# Altium PCB openservo_tessellated.PcbDoc (part 9 of 13)
Units mm, origin at the board's own origin, x right, y up, seen from the top; angles counter-clockwise.
Board outline 225 x 202.5 mm, 2 copper layers (Top Layer, Bottom Layer); 1250 components, 19 nets, 5300 pads, 1100 vias.
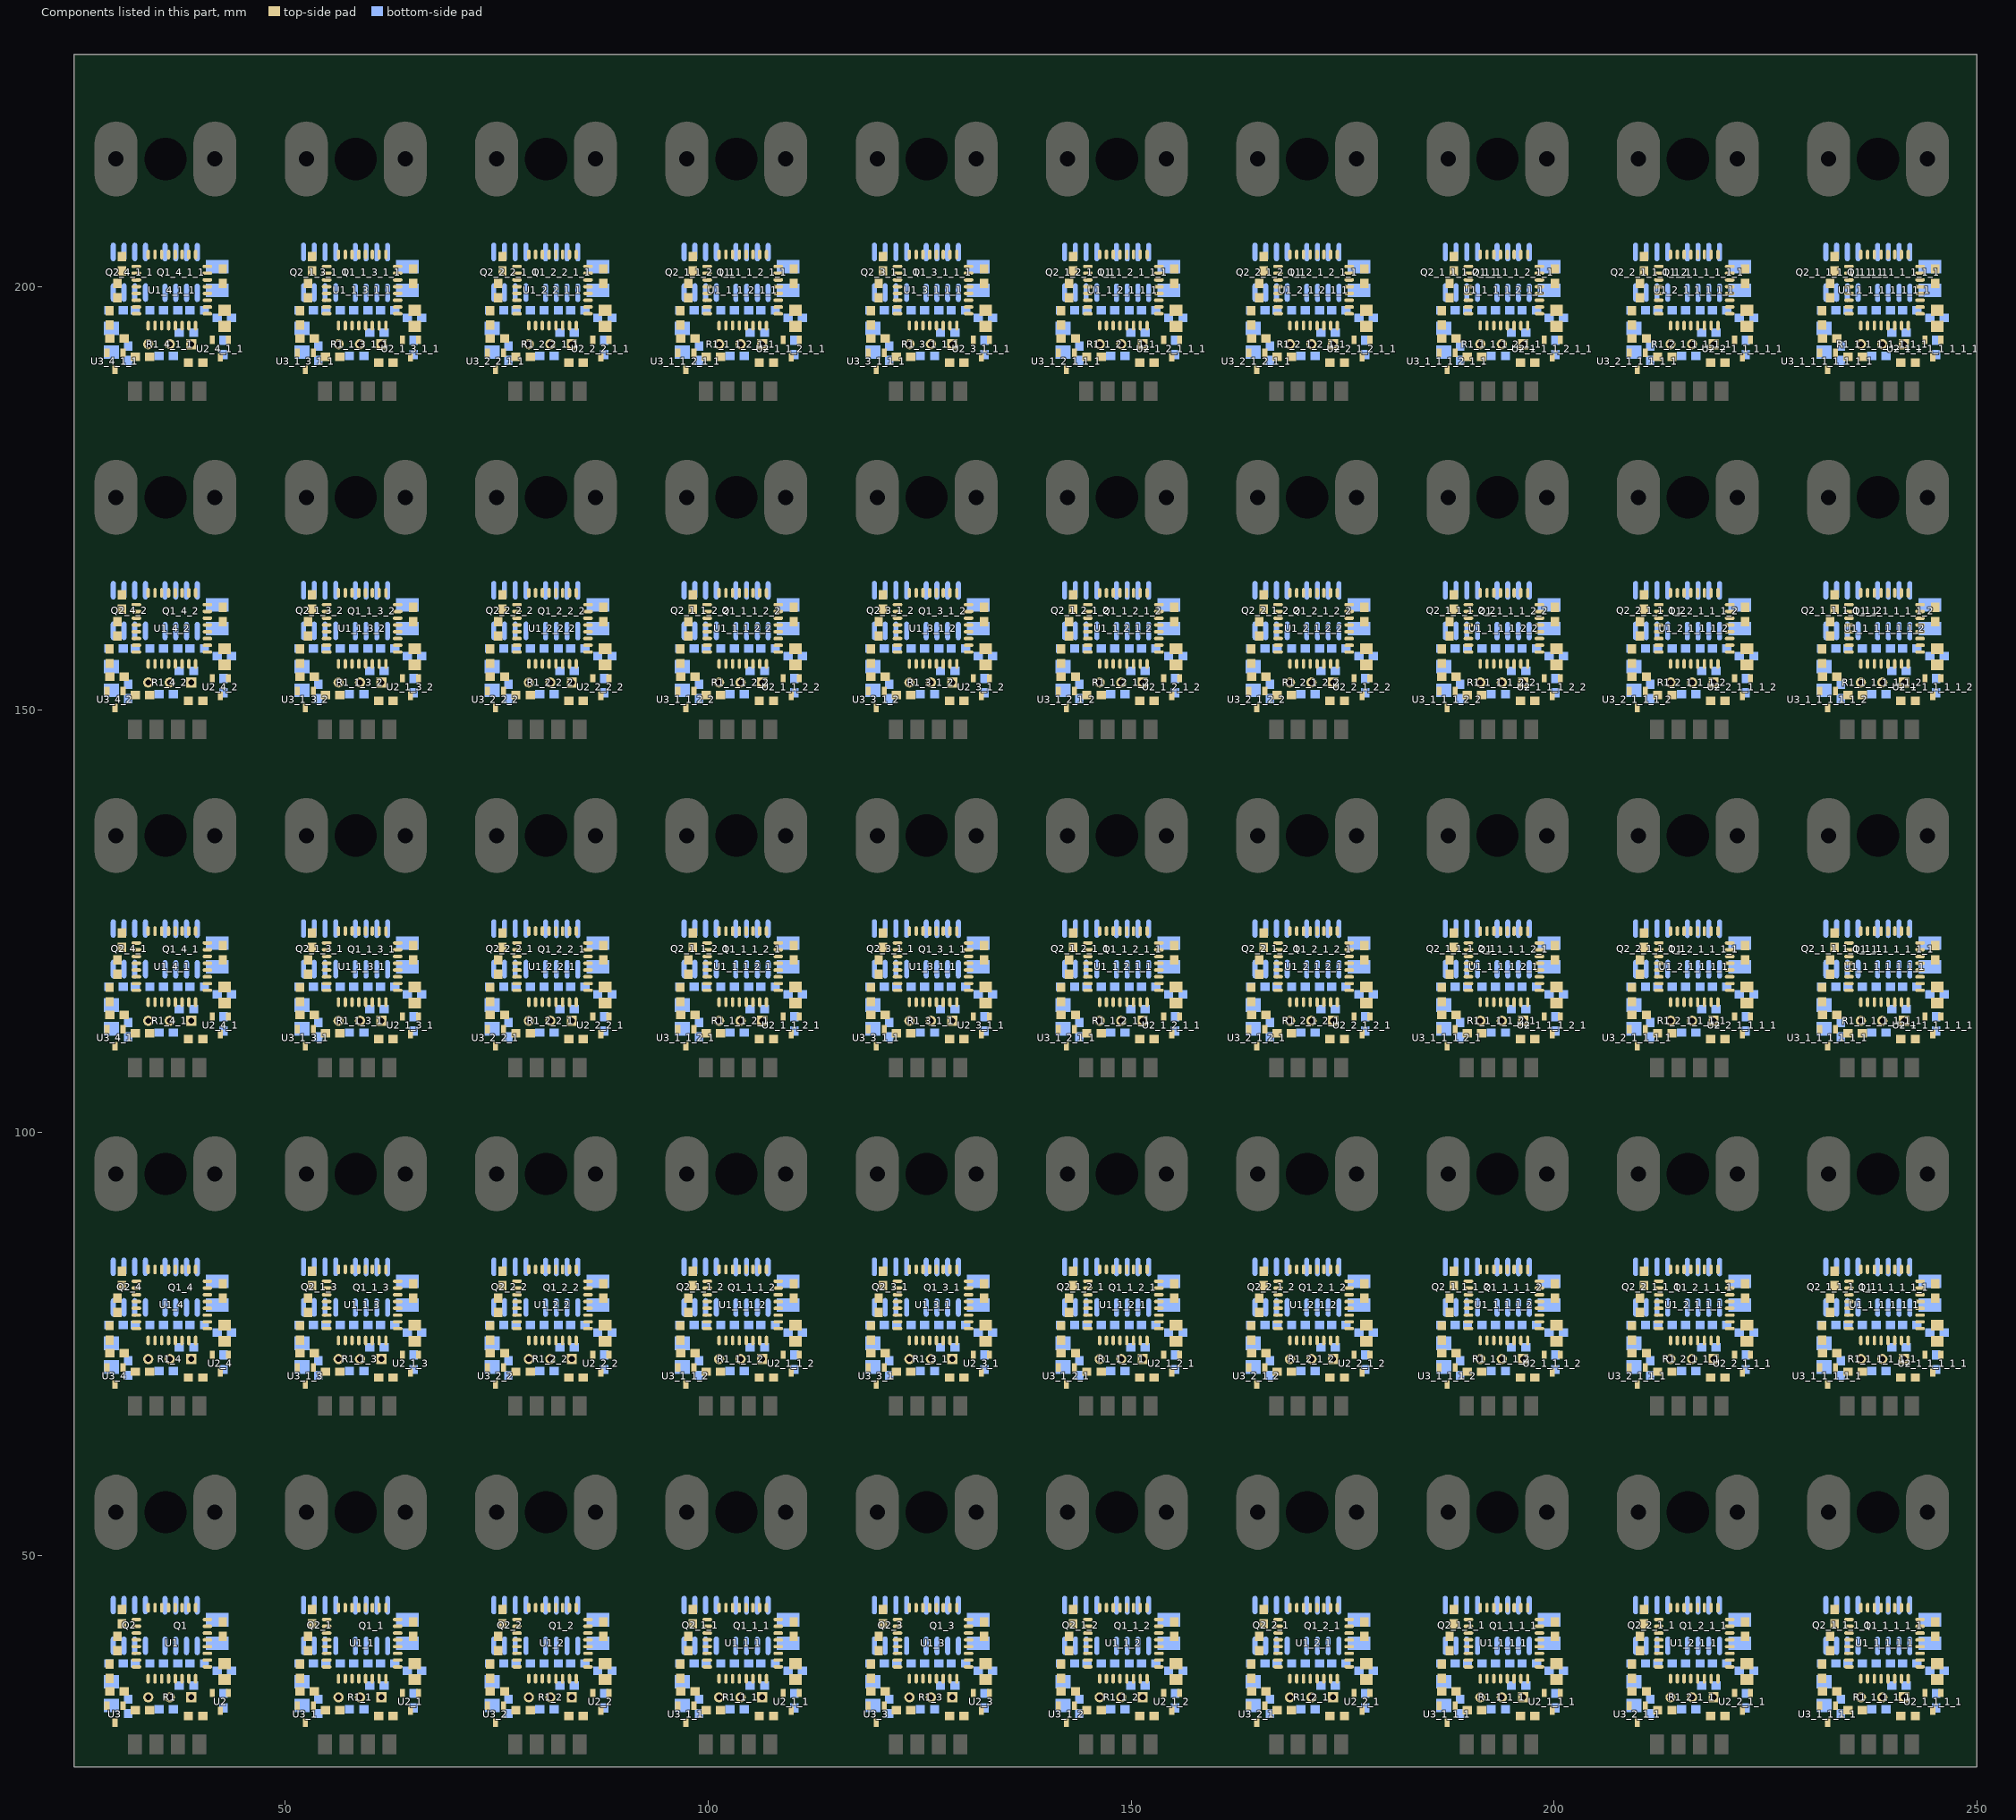
[diagram p9: the components of this part, seen from the top]

## Via types
v1: diameter 0.762, hole 0.35, Top Layer to Bottom Layer, 1000 vias
v2: diameter 1.27, hole 0.7, Top Layer to Bottom Layer, 100 vias

## Nets (pads, with @x,y where several pads share a name; then routed paths per layer and width w, separated by ;. In a path a pad name is that pad's centre, name@x,y a point inside that pad or via, vN(x,y) a via of type N, cw(c..) or ccw(c..) an arc to the next point about the centre after c; other vN are vias at no path point) (continued)
copper on no net: (continued)
  Top Layer w0.635: v1(28.626,70.632) 28.895,70.902 28.895,72.217 ; v1(28.626,110.632) 28.895,110.902 28.895,112.217 ; v1(28.626,150.632) 28.895,150.902 28.895,152.217 ; v1(28.626,190.632) 28.895,190.902 28.895,192.217 ; 34.722,67.788 34.722,69.642 v1@35.408,70.328 ; 34.722,107.788 34.722,109.642 v1@35.408,110.328 ; 34.722,147.788 34.722,149.642 v1@35.408,150.328 ; 34.722,187.788 34.722,189.642 v1@35.408,190.328 ; v1(36.665,69.629) 37.262,69.032 37.262,67.788 ; v1(36.665,109.629) 37.262,109.032 37.262,107.788 ; v1(36.665,149.629) 37.262,149.032 37.262,147.788 ; v1(36.665,189.629) 37.262,189.032 37.262,187.788 ; v1(41.072,72.436) 41.072,73.471 41.341,73.74 ; v1(41.072,112.436) 41.072,113.471 41.341,113.74 ; v1(41.072,152.436) 41.072,153.471 41.341,153.74 ; v1(41.072,192.436) 41.072,193.471 41.341,193.74 ; v1(41.783,70.226) 41.783,71.132 42.291,71.64 ; v1(41.783,110.226) 41.783,111.132 42.291,111.64 ; v1(41.783,150.226) 41.783,151.132 42.291,151.64 ; v1(41.783,190.226) 41.783,191.132 42.291,191.64 ; 42.596,82.125 43.917,83.446 v1(43.917,83.866) ; 42.596,122.125 43.917,123.446 v1(43.917,123.866) ; 42.596,162.125 43.917,163.446 v1(43.917,163.866) ; 42.596,202.125 43.917,203.446 v1(43.917,203.866) ; 42.799,80.222 42.799,77.221 43.678,77.221 44.196,76.703 44.196,69.337 v1(43.891,69.032) ; 42.799,120.222 42.799,117.221 43.678,117.221 44.196,116.703 44.196,109.337 v1(43.891,109.032) ; 42.799,160.222 42.799,157.221 43.678,157.221 44.196,156.703 44.196,149.337 v1(43.891,149.032) ; 42.799,200.222 42.799,197.221 43.678,197.221 44.196,196.703 44.196,189.337 v1(43.891,189.032) ; v1(51.126,30.632) 51.395,30.902 51.395,32.217 ; v1(51.126,70.632) 51.395,70.902 51.395,72.217 ; v1(51.126,110.632) 51.395,110.902 51.395,112.217 ; v1(51.126,150.632) 51.395,150.902 51.395,152.217 ; v1(51.126,190.632) 51.395,190.902 51.395,192.217 ; 57.222,27.788 57.222,29.642 v1@57.908,30.328 ; 57.222,67.788 57.222,69.642 v1@57.908,70.328 ; 57.222,107.788 57.222,109.642 v1@57.908,110.328 ; 57.222,147.788 57.222,149.642 v1@57.908,150.328 ; 57.222,187.788 57.222,189.642 v1@57.908,190.328 ; v1(59.165,29.629) 59.762,29.032 59.762,27.788 ; v1(59.165,69.629) 59.762,69.032 59.762,67.788 ; v1(59.165,109.629) 59.762,109.032 59.762,107.788 ; v1(59.165,149.629) 59.762,149.032 59.762,147.788 ; v1(59.165,189.629) 59.762,189.032 59.762,187.788 ; v1(63.572,32.436) 63.572,33.471 63.841,33.74 ; v1(63.572,72.436) 63.572,73.471 63.841,73.74 ; v1(63.572,112.436) 63.572,113.471 63.841,113.74 ; v1(63.572,152.436) 63.572,153.471 63.841,153.74 ; v1(63.572,192.436) 63.572,193.471 63.841,193.74 ; v1(64.283,30.226) 64.283,31.132 64.791,31.64 ; v1(64.283,70.226) 64.283,71.132 64.791,71.64 ; v1(64.283,110.226) 64.283,111.132 64.791,111.64 ; v1(64.283,150.226) 64.283,151.132 64.791,151.64 ; v1(64.283,190.226) 64.283,191.132 64.791,191.64 ; 65.096,42.125 66.417,43.446 v1(66.417,43.866) ; 65.096,82.125 66.417,83.446 v1(66.417,83.866) ; 65.096,122.125 66.417,123.446 v1(66.417,123.866) ; 65.096,162.125 66.417,163.446 v1(66.417,163.866) ; 65.096,202.125 66.417,203.446 v1(66.417,203.866) ; 65.299,40.222 65.299,37.221 66.178,37.221 66.696,36.703 66.696,29.337 v1(66.391,29.032) ; 65.299,80.222 65.299,77.221 66.178,77.221 66.696,76.703 66.696,69.337 v1(66.391,69.032) ; 65.299,120.222 65.299,117.221 66.178,117.221 66.696,116.703 66.696,109.337 v1(66.391,109.032) ; 65.299,160.222 65.299,157.221 66.178,157.221 66.696,156.703 66.696,149.337 v1(66.391,149.032) ; 65.299,200.222 65.299,197.221 66.178,197.221 66.696,196.703 66.696,189.337 v1(66.391,189.032) ; v1(73.626,30.632) 73.895,30.902 73.895,32.217 ; v1(73.626,70.632) 73.895,70.902 73.895,72.217 ; v1(73.626,110.632) 73.895,110.902 73.895,112.217 ; v1(73.626,150.632) 73.895,150.902 73.895,152.217 ; v1(73.626,190.632) 73.895,190.902 73.895,192.217 ; 79.722,27.788 79.722,29.642 v1@80.408,30.328 ; 79.722,67.788 79.722,69.642 v1@80.408,70.328 ; 79.722,107.788 79.722,109.642 v1@80.408,110.328 ; 79.722,147.788 79.722,149.642 v1@80.408,150.328 ; 79.722,187.788 79.722,189.642 v1@80.408,190.328 ; v1(81.665,29.629) 82.262,29.032 82.262,27.788 ; v1(81.665,69.629) 82.262,69.032 82.262,67.788 ; v1(81.665,109.629) 82.262,109.032 82.262,107.788 ; v1(81.665,149.629) 82.262,149.032 82.262,147.788 ; v1(81.665,189.629) 82.262,189.032 82.262,187.788 ; v1(86.072,32.436) 86.072,33.471 86.341,33.74 ; v1(86.072,72.436) 86.072,73.471 86.341,73.74 ; v1(86.072,112.436) 86.072,113.471 86.341,113.74 ; v1(86.072,152.436) 86.072,153.471 86.341,153.74 ; v1(86.072,192.436) 86.072,193.471 86.341,193.74 ; v1(86.783,30.226) 86.783,31.132 87.291,31.64 ; v1(86.783,70.226) 86.783,71.132 87.291,71.64 ; v1(86.783,110.226) 86.783,111.132 87.291,111.64 ; v1(86.783,150.226) 86.783,151.132 87.291,151.64 ; v1(86.783,190.226) 86.783,191.132 87.291,191.64 ; 87.596,42.125 88.917,43.446 v1(88.917,43.866) ; 87.596,82.125 88.917,83.446 v1(88.917,83.866) ; 87.596,122.125 88.917,123.446 v1(88.917,123.866) ; 87.596,162.125 88.917,163.446 v1(88.917,163.866) ; 87.596,202.125 88.917,203.446 v1(88.917,203.866) ; 87.799,40.222 87.799,37.221 88.678,37.221 89.196,36.703 89.196,29.337 v1(88.891,29.032) ; 87.799,80.222 87.799,77.221 88.678,77.221 89.196,76.703 89.196,69.337 v1(88.891,69.032) ; 87.799,120.222 87.799,117.221 88.678,117.221 89.196,116.703 89.196,109.337 v1(88.891,109.032) ; 87.799,160.222 87.799,157.221 88.678,157.221 89.196,156.703 89.196,149.337 v1(88.891,149.032) ; 87.799,200.222 87.799,197.221 88.678,197.221 89.196,196.703 89.196,189.337 v1(88.891,189.032) ; v1(96.126,30.632) 96.395,30.902 96.395,32.217 ; v1(96.126,70.632) 96.395,70.902 96.395,72.217 ; v1(96.126,110.632) 96.395,110.902 96.395,112.217 ; v1(96.126,150.632) 96.395,150.902 96.395,152.217 ; v1(96.126,190.632) 96.395,190.902 96.395,192.217 ; 102.222,27.788 102.222,29.642 v1@102.908,30.328 ; 102.222,67.788 102.222,69.642 v1@102.908,70.328 ; 102.222,107.788 102.222,109.642 v1@102.908,110.328 ; 102.222,147.788 102.222,149.642 v1@102.908,150.328 ; 102.222,187.788 102.222,189.642 v1@102.908,190.328 ; v1(104.165,29.629) 104.762,29.032 104.762,27.788 ; v1(104.165,69.629) 104.762,69.032 104.762,67.788 ; v1(104.165,109.629) 104.762,109.032 104.762,107.788 ; v1(104.165,149.629) 104.762,149.032 104.762,147.788 ; v1(104.165,189.629) 104.762,189.032 104.762,187.788 ; v1(108.572,32.436) 108.572,33.471 108.841,33.74 ; v1(108.572,72.436) 108.572,73.471 108.841,73.74 ; v1(108.572,112.436) 108.572,113.471 108.841,113.74 ; v1(108.572,152.436) 108.572,153.471 108.841,153.74 ; v1(108.572,192.436) 108.572,193.471 108.841,193.74 ; v1(109.283,30.226) 109.283,31.132 109.791,31.64 ; v1(109.283,70.226) 109.283,71.132 109.791,71.64 ; v1(109.283,110.226) 109.283,111.132 109.791,111.64 ; v1(109.283,150.226) 109.283,151.132 109.791,151.64 ; v1(109.283,190.226) 109.283,191.132 109.791,191.64 ; 110.096,42.125 111.417,43.446 v1(111.417,43.866) ; 110.096,82.125 111.417,83.446 v1(111.417,83.866) ; 110.096,122.125 111.417,123.446 v1(111.417,123.866) ; 110.096,162.125 111.417,163.446 v1(111.417,163.866) ; 110.096,202.125 111.417,203.446 v1(111.417,203.866) ; 110.299,40.222 110.299,37.221 111.178,37.221 111.696,36.703 111.696,29.337 v1(111.391,29.032) ; 110.299,80.222 110.299,77.221 111.178,77.221 111.696,76.703 111.696,69.337 v1(111.391,69.032) ; 110.299,120.222 110.299,117.221 111.178,117.221 111.696,116.703 111.696,109.337 v1(111.391,109.032) ; 110.299,160.222 110.299,157.221 111.178,157.221 111.696,156.703 111.696,149.337 v1(111.391,149.032) ; 110.299,200.222 110.299,197.221 111.178,197.221 111.696,196.703 111.696,189.337 v1(111.391,189.032) ; v1(118.626,30.632) 118.895,30.902 118.895,32.217 ; v1(118.626,70.632) 118.895,70.902 118.895,72.217 ; v1(118.626,110.632) 118.895,110.902 118.895,112.217 ; v1(118.626,150.632) 118.895,150.902 118.895,152.217 ; v1(118.626,190.632) 118.895,190.902 118.895,192.217 ; 124.722,27.788 124.722,29.642 v1@125.408,30.328 ; 124.722,67.788 124.722,69.642 v1@125.408,70.328 ; 124.722,107.788 124.722,109.642 v1@125.408,110.328 ; 124.722,147.788 124.722,149.642 v1@125.408,150.328 ; 124.722,187.788 124.722,189.642 v1@125.408,190.328 ; v1(126.665,29.629) 127.262,29.032 127.262,27.788 ; v1(126.665,69.629) 127.262,69.032 127.262,67.788 ; v1(126.665,109.629) 127.262,109.032 127.262,107.788 ; v1(126.665,149.629) 127.262,149.032 127.262,147.788 ; v1(126.665,189.629) 127.262,189.032 127.262,187.788 ; v1(131.072,32.436) 131.072,33.471 131.341,33.74 ; v1(131.072,72.436) 131.072,73.471 131.341,73.74 ; v1(131.072,112.436) 131.072,113.471 131.341,113.74 ; v1(131.072,152.436) 131.072,153.471 131.341,153.74 ; v1(131.072,192.436) 131.072,193.471 131.341,193.74 ; v1(131.783,30.226) 131.783,31.132 132.291,31.64 ; v1(131.783,70.226) 131.783,71.132 132.291,71.64 ; v1(131.783,110.226) 131.783,111.132 132.291,111.64 ; v1(131.783,150.226) 131.783,151.132 132.291,151.64 ; v1(131.783,190.226) 131.783,191.132 132.291,191.64 ; 132.596,42.125 133.917,43.446 v1(133.917,43.866) ; 132.596,82.125 133.917,83.446 v1(133.917,83.866) ; 132.596,122.125 133.917,123.446 v1(133.917,123.866) ; 132.596,162.125 133.917,163.446 v1(133.917,163.866) ; 132.596,202.125 133.917,203.446 v1(133.917,203.866) ; 132.799,40.222 132.799,37.221 133.678,37.221 134.196,36.703 134.196,29.337 v1(133.891,29.032) ; 132.799,80.222 132.799,77.221 133.678,77.221 134.196,76.703 134.196,69.337 v1(133.891,69.032) ; 132.799,120.222 132.799,117.221 133.678,117.221 134.196,116.703 134.196,109.337 v1(133.891,109.032) ; 132.799,160.222 132.799,157.221 133.678,157.221 134.196,156.703 134.196,149.337 v1(133.891,149.032) ; 132.799,200.222 132.799,197.221 133.678,197.221 134.196,196.703 134.196,189.337 v1(133.891,189.032) ; v1(141.126,30.632) 141.395,30.902 141.395,32.217 ; v1(141.126,70.632) 141.395,70.902 141.395,72.217 ; v1(141.126,110.632) 141.395,110.902 141.395,112.217 ; v1(141.126,150.632) 141.395,150.902 141.395,152.217 ; v1(141.126,190.632) 141.395,190.902 141.395,192.217 ; 147.222,27.788 147.222,29.642 v1@147.908,30.328 ; 147.222,67.788 147.222,69.642 v1@147.908,70.328 ; 147.222,107.788 147.222,109.642 v1@147.908,110.328 ; 147.222,147.788 147.222,149.642 v1@147.908,150.328 ; 147.222,187.788 147.222,189.642 v1@147.908,190.328 ; v1(149.165,29.629) 149.762,29.032 149.762,27.788 ; v1(149.165,69.629) 149.762,69.032 149.762,67.788 ; v1(149.165,109.629) 149.762,109.032 149.762,107.788 ; v1(149.165,149.629) 149.762,149.032 149.762,147.788 ; v1(149.165,189.629) 149.762,189.032 149.762,187.788 ; v1(153.572,32.436) 153.572,33.471 153.841,33.74 ; v1(153.572,72.436) 153.572,73.471 153.841,73.74 ; v1(153.572,112.436) 153.572,113.471 153.841,113.74 ; v1(153.572,152.436) 153.572,153.471 153.841,153.74 ; v1(153.572,192.436) 153.572,193.471 153.841,193.74 ; v1(154.283,30.226) 154.283,31.132 154.791,31.64 ; v1(154.283,70.226) 154.283,71.132 154.791,71.64 ; v1(154.283,110.226) 154.283,111.132 154.791,111.64 ; v1(154.283,150.226) 154.283,151.132 154.791,151.64 ; v1(154.283,190.226) 154.283,191.132 154.791,191.64 ; 155.096,42.125 156.417,43.446 v1(156.417,43.866) ; 155.096,82.125 156.417,83.446 v1(156.417,83.866) ; 155.096,122.125 156.417,123.446 v1(156.417,123.866) ; 155.096,162.125 156.417,163.446 v1(156.417,163.866) ; 155.096,202.125 156.417,203.446 v1(156.417,203.866) ; 155.299,40.222 155.299,37.221 156.178,37.221 156.696,36.703 156.696,29.337 v1(156.391,29.032) ; 155.299,80.222 155.299,77.221 156.178,77.221 156.696,76.703 156.696,69.337 v1(156.391,69.032) ; 155.299,120.222 155.299,117.221 156.178,117.221 156.696,116.703 156.696,109.337 v1(156.391,109.032) ; 155.299,160.222 155.299,157.221 156.178,157.221 156.696,156.703 156.696,149.337 v1(156.391,149.032) ; 155.299,200.222 155.299,197.221 156.178,197.221 156.696,196.703 156.696,189.337 v1(156.391,189.032) ; v1(163.626,30.632) 163.895,30.902 163.895,32.217 ; v1(163.626,70.632) 163.895,70.902 163.895,72.217 ; v1(163.626,110.632) 163.895,110.902 163.895,112.217 ; v1(163.626,150.632) 163.895,150.902 163.895,152.217 ; v1(163.626,190.632) 163.895,190.902 163.895,192.217 ; 169.722,27.788 169.722,29.642 v1@170.408,30.328 ; 169.722,67.788 169.722,69.642 v1@170.408,70.328 ; 169.722,107.788 169.722,109.642 v1@170.408,110.328 ; 169.722,147.788 169.722,149.642 v1@170.408,150.328 ; 169.722,187.788 169.722,189.642 v1@170.408,190.328 ; v1(171.665,29.629) 172.262,29.032 172.262,27.788 ; v1(171.665,69.629) 172.262,69.032 172.262,67.788 ; v1(171.665,109.629) 172.262,109.032 172.262,107.788 ; v1(171.665,149.629) 172.262,149.032 172.262,147.788 ; v1(171.665,189.629) 172.262,189.032 172.262,187.788 ; v1(176.072,32.436) 176.072,33.471 176.341,33.74 ; v1(176.072,72.436) 176.072,73.471 176.341,73.74 ; v1(176.072,112.436) 176.072,113.471 176.341,113.74 ; v1(176.072,152.436) 176.072,153.471 176.341,153.74 ; v1(176.072,192.436) 176.072,193.471 176.341,193.74 ; v1(176.783,30.226) 176.783,31.132 177.291,31.64 ; v1(176.783,70.226) 176.783,71.132 177.291,71.64 ; v1(176.783,110.226) 176.783,111.132 177.291,111.64 ; v1(176.783,150.226) 176.783,151.132 177.291,151.64 ; v1(176.783,190.226) 176.783,191.132 177.291,191.64 ; 177.596,42.125 178.917,43.446 v1(178.917,43.866) ; 177.596,82.125 178.917,83.446 v1(178.917,83.866) ; 177.596,122.125 178.917,123.446 v1(178.917,123.866) ; 177.596,162.125 178.917,163.446 v1(178.917,163.866) ; 177.596,202.125 178.917,203.446 v1(178.917,203.866) ; 177.799,40.222 177.799,37.221 178.678,37.221 179.196,36.703 179.196,29.337 v1(178.891,29.032) ; 177.799,80.222 177.799,77.221 178.678,77.221 179.196,76.703 179.196,69.337 v1(178.891,69.032) ; 177.799,120.222 177.799,117.221 178.678,117.221 179.196,116.703 179.196,109.337 v1(178.891,109.032) ; 177.799,160.222 177.799,157.221 178.678,157.221 179.196,156.703 179.196,149.337 v1(178.891,149.032) ; 177.799,200.222 177.799,197.221 178.678,197.221 179.196,196.703 179.196,189.337 v1(178.891,189.032) ; v1(186.126,30.632) 186.395,30.902 186.395,32.217 ; v1(186.126,70.632) 186.395,70.902 186.395,72.217 ; v1(186.126,110.632) 186.395,110.902 186.395,112.217 ; v1(186.126,150.632) 186.395,150.902 186.395,152.217 ; v1(186.126,190.632) 186.395,190.902 186.395,192.217 ; 192.222,27.788 192.222,29.642 v1@192.908,30.328 ; 192.222,67.788 192.222,69.642 v1@192.908,70.328 ; 192.222,107.788 192.222,109.642 v1@192.908,110.328 ; 192.222,147.788 192.222,149.642 v1@192.908,150.328 ; 192.222,187.788 192.222,189.642 v1@192.908,190.328 ; v1(194.165,29.629) 194.762,29.032 194.762,27.788 ; v1(194.165,69.629) 194.762,69.032 194.762,67.788 ; v1(194.165,109.629) 194.762,109.032 194.762,107.788 ; v1(194.165,149.629) 194.762,149.032 194.762,147.788 ; v1(194.165,189.629) 194.762,189.032 194.762,187.788 ; v1(198.572,32.436) 198.572,33.471 198.841,33.74 ; v1(198.572,72.436) 198.572,73.471 198.841,73.74 ; v1(198.572,112.436) 198.572,113.471 198.841,113.74 ; v1(198.572,152.436) 198.572,153.471 198.841,153.74 ; v1(198.572,192.436) 198.572,193.471 198.841,193.74 ; v1(199.283,30.226) 199.283,31.132 199.791,31.64 ; v1(199.283,70.226) 199.283,71.132 199.791,71.64 ; v1(199.283,110.226) 199.283,111.132 199.791,111.64 ; v1(199.283,150.226) 199.283,151.132 199.791,151.64 ; v1(199.283,190.226) 199.283,191.132 199.791,191.64 ; 200.096,42.125 201.417,43.446 v1(201.417,43.866) ; 200.096,82.125 201.417,83.446 v1(201.417,83.866) ; 200.096,122.125 201.417,123.446 v1(201.417,123.866) ; 200.096,162.125 201.417,163.446 v1(201.417,163.866) ; 200.096,202.125 201.417,203.446 v1(201.417,203.866) ; 200.299,40.222 200.299,37.221 201.178,37.221 201.696,36.703 201.696,29.337 v1(201.391,29.032) ; 200.299,80.222 200.299,77.221 201.178,77.221 201.696,76.703 201.696,69.337 v1(201.391,69.032) ; 200.299,120.222 200.299,117.221 201.178,117.221 201.696,116.703 201.696,109.337 v1(201.391,109.032) ; 200.299,160.222 200.299,157.221 201.178,157.221 201.696,156.703 201.696,149.337 v1(201.391,149.032) ; 200.299,200.222 200.299,197.221 201.178,197.221 201.696,196.703 201.696,189.337 v1(201.391,189.032) ; v1(208.626,30.632) 208.895,30.902 208.895,32.217 ; v1(208.626,70.632) 208.895,70.902 208.895,72.217 ; v1(208.626,110.632) 208.895,110.902 208.895,112.217 ; v1(208.626,150.632) 208.895,150.902 208.895,152.217 ; v1(208.626,190.632) 208.895,190.902 208.895,192.217 ; 214.722,27.788 214.722,29.642 v1@215.408,30.328 ; 214.722,67.788 214.722,69.642 v1@215.408,70.328 ; 214.722,107.788 214.722,109.642 v1@215.408,110.328 ; 214.722,147.788 214.722,149.642 v1@215.408,150.328 ; 214.722,187.788 214.722,189.642 v1@215.408,190.328 ; v1(216.665,29.629) 217.262,29.032 217.262,27.788 ; v1(216.665,69.629) 217.262,69.032 217.262,67.788 ; v1(216.665,109.629) 217.262,109.032 217.262,107.788 ; v1(216.665,149.629) 217.262,149.032 217.262,147.788 ; v1(216.665,189.629) 217.262,189.032 217.262,187.788 ; v1(221.072,32.436) 221.072,33.471 221.341,33.74 ; v1(221.072,72.436) 221.072,73.471 221.341,73.74 ; v1(221.072,112.436) 221.072,113.471 221.341,113.74 ; v1(221.072,152.436) 221.072,153.471 221.341,153.74 ; v1(221.072,192.436) 221.072,193.471 221.341,193.74 ; v1(221.783,30.226) 221.783,31.132 222.291,31.64 ; v1(221.783,70.226) 221.783,71.132 222.291,71.64 ; v1(221.783,110.226) 221.783,111.132 222.291,111.64 ; v1(221.783,150.226) 221.783,151.132 222.291,151.64 ; v1(221.783,190.226) 221.783,191.132 222.291,191.64 ; 222.596,42.125 223.917,43.446 v1(223.917,43.866) ; 222.596,82.125 223.917,83.446 v1(223.917,83.866) ; 222.596,122.125 223.917,123.446 v1(223.917,123.866) ; 222.596,162.125 223.917,163.446 v1(223.917,163.866) ; 222.596,202.125 223.917,203.446 v1(223.917,203.866) ; 222.799,40.222 222.799,37.221 223.678,37.221 224.196,36.703 224.196,29.337 v1(223.891,29.032) ; 222.799,80.222 222.799,77.221 223.678,77.221 224.196,76.703 224.196,69.337 v1(223.891,69.032) ; 222.799,120.222 222.799,117.221 223.678,117.221 224.196,116.703 224.196,109.337 v1(223.891,109.032) ; 222.799,160.222 222.799,157.221 223.678,157.221 224.196,156.703 224.196,149.337 v1(223.891,149.032) ; 222.799,200.222 222.799,197.221 223.678,197.221 224.196,196.703 224.196,189.337 v1(223.891,189.032) ; v1(231.126,30.632) 231.395,30.902 231.395,32.217 ; v1(231.126,70.632) 231.395,70.902 231.395,72.217 ; v1(231.126,110.632) 231.395,110.902 231.395,112.217 ; v1(231.126,150.632) 231.395,150.902 231.395,152.217 ; v1(231.126,190.632) 231.395,190.902 231.395,192.217 ; 237.222,27.788 237.222,29.642 v1@237.908,30.328 ; 237.222,67.788 237.222,69.642 v1@237.908,70.328 ; 237.222,107.788 237.222,109.642 v1@237.908,110.328 ; 237.222,147.788 237.222,149.642 v1@237.908,150.328 ; 237.222,187.788 237.222,189.642 v1@237.908,190.328 ; v1(239.165,29.629) 239.762,29.032 239.762,27.788 ; v1(239.165,69.629) 239.762,69.032 239.762,67.788 ; v1(239.165,109.629) 239.762,109.032 239.762,107.788 ; v1(239.165,149.629) 239.762,149.032 239.762,147.788 ; v1(239.165,189.629) 239.762,189.032 239.762,187.788 ; v1(243.572,32.436) 243.572,33.471 243.841,33.74 ; v1(243.572,72.436) 243.572,73.471 243.841,73.74 ; v1(243.572,112.436) 243.572,113.471 243.841,113.74 ; v1(243.572,152.436) 243.572,153.471 243.841,153.74 ; v1(243.572,192.436) 243.572,193.471 243.841,193.74 ; v1(244.283,30.226) 244.283,31.132 244.791,31.64 ; v1(244.283,70.226) 244.283,71.132 244.791,71.64 ; v1(244.283,110.226) 244.283,111.132 244.791,111.64 ; v1(244.283,150.226) 244.283,151.132 244.791,151.64 ; v1(244.283,190.226) 244.283,191.132 244.791,191.64 ; 245.096,42.125 246.417,43.446 v1(246.417,43.866) ; 245.096,82.125 246.417,83.446 v1(246.417,83.866) ; 245.096,122.125 246.417,123.446 v1(246.417,123.866) ; 245.096,162.125 246.417,163.446 v1(246.417,163.866) ; 245.096,202.125 246.417,203.446 v1(246.417,203.866) ; 245.299,40.222 245.299,37.221 246.178,37.221 246.696,36.703 246.696,29.337 v1(246.391,29.032) ; 245.299,80.222 245.299,77.221 246.178,77.221 246.696,76.703 246.696,69.337 v1(246.391,69.032) ; 245.299,120.222 245.299,117.221 246.178,117.221 246.696,116.703 246.696,109.337 v1(246.391,109.032) ; 245.299,160.222 245.299,157.221 246.178,157.221 246.696,156.703 246.696,149.337 v1(246.391,149.032) ; 245.299,200.222 245.299,197.221 246.178,197.221 246.696,196.703 246.696,189.337 v1(246.391,189.032)
  Top Layer w1.27: v2(27.864,85.339) 27.864,88.768 29.972,90.876 29.972,95.118 ; v2(27.864,125.339) 27.864,128.768 29.972,130.876 29.972,135.118 ; v2(27.864,165.339) 27.864,168.768 29.972,170.876 29.972,175.118 ; v2(27.864,205.339) 27.864,208.768 29.972,210.876 29.972,215.118 ; v2(41.554,85.288) 41.554,95.016 ; v2(41.554,125.288) 41.554,135.016 ; v2(41.554,165.288) 41.554,175.016 ; v2(41.554,205.288) 41.554,215.016 ; v2(50.364,45.339) 50.364,48.768 52.472,50.876 52.472,55.118 ; v2(50.364,85.339) 50.364,88.768 52.472,90.876 52.472,95.118 ; v2(50.364,125.339) 50.364,128.768 52.472,130.876 52.472,135.118 ; v2(50.364,165.339) 50.364,168.768 52.472,170.876 52.472,175.118 ; v2(50.364,205.339) 50.364,208.768 52.472,210.876 52.472,215.118 ; v2(64.054,45.288) 64.054,55.016 ; v2(64.054,85.288) 64.054,95.016 ; v2(64.054,125.288) 64.054,135.016 ; v2(64.054,165.288) 64.054,175.016 ; v2(64.054,205.288) 64.054,215.016 ; v2(72.864,45.339) 72.864,48.768 74.972,50.876 74.972,55.118 ; v2(72.864,85.339) 72.864,88.768 74.972,90.876 74.972,95.118 ; v2(72.864,125.339) 72.864,128.768 74.972,130.876 74.972,135.118 ; v2(72.864,165.339) 72.864,168.768 74.972,170.876 74.972,175.118 ; v2(72.864,205.339) 72.864,208.768 74.972,210.876 74.972,215.118 ; v2(86.554,45.288) 86.554,55.016 ; v2(86.554,85.288) 86.554,95.016 ; v2(86.554,125.288) 86.554,135.016 ; v2(86.554,165.288) 86.554,175.016 ; v2(86.554,205.288) 86.554,215.016 ; v2(95.364,45.339) 95.364,48.768 97.472,50.876 97.472,55.118 ; v2(95.364,85.339) 95.364,88.768 97.472,90.876 97.472,95.118 ; v2(95.364,125.339) 95.364,128.768 97.472,130.876 97.472,135.118 ; v2(95.364,165.339) 95.364,168.768 97.472,170.876 97.472,175.118 ; v2(95.364,205.339) 95.364,208.768 97.472,210.876 97.472,215.118 ; v2(109.054,45.288) 109.054,55.016 ; v2(109.054,85.288) 109.054,95.016 ; v2(109.054,125.288) 109.054,135.016 ; v2(109.054,165.288) 109.054,175.016 ; v2(109.054,205.288) 109.054,215.016 ; v2(117.864,45.339) 117.864,48.768 119.972,50.876 119.972,55.118 ; v2(117.864,85.339) 117.864,88.768 119.972,90.876 119.972,95.118 ; v2(117.864,125.339) 117.864,128.768 119.972,130.876 119.972,135.118 ; v2(117.864,165.339) 117.864,168.768 119.972,170.876 119.972,175.118 ; v2(117.864,205.339) 117.864,208.768 119.972,210.876 119.972,215.118 ; v2(131.554,45.288) 131.554,55.016 ; v2(131.554,85.288) 131.554,95.016 ; v2(131.554,125.288) 131.554,135.016 ; v2(131.554,165.288) 131.554,175.016 ; v2(131.554,205.288) 131.554,215.016 ; v2(140.364,45.339) 140.364,48.768 142.472,50.876 142.472,55.118 ; v2(140.364,85.339) 140.364,88.768 142.472,90.876 142.472,95.118 ; v2(140.364,125.339) 140.364,128.768 142.472,130.876 142.472,135.118 ; v2(140.364,165.339) 140.364,168.768 142.472,170.876 142.472,175.118 ; v2(140.364,205.339) 140.364,208.768 142.472,210.876 142.472,215.118 ; v2(154.054,45.288) 154.054,55.016 ; v2(154.054,85.288) 154.054,95.016 ; v2(154.054,125.288) 154.054,135.016 ; v2(154.054,165.288) 154.054,175.016 ; v2(154.054,205.288) 154.054,215.016 ; v2(162.864,45.339) 162.864,48.768 164.972,50.876 164.972,55.118 ; v2(162.864,85.339) 162.864,88.768 164.972,90.876 164.972,95.118 ; v2(162.864,125.339) 162.864,128.768 164.972,130.876 164.972,135.118 ; v2(162.864,165.339) 162.864,168.768 164.972,170.876 164.972,175.118 ; v2(162.864,205.339) 162.864,208.768 164.972,210.876 164.972,215.118 ; v2(176.554,45.288) 176.554,55.016 ; v2(176.554,85.288) 176.554,95.016 ; v2(176.554,125.288) 176.554,135.016 ; v2(176.554,165.288) 176.554,175.016 ; v2(176.554,205.288) 176.554,215.016 ; v2(185.364,45.339) 185.364,48.768 187.472,50.876 187.472,55.118 ; v2(185.364,85.339) 185.364,88.768 187.472,90.876 187.472,95.118 ; v2(185.364,125.339) 185.364,128.768 187.472,130.876 187.472,135.118 ; v2(185.364,165.339) 185.364,168.768 187.472,170.876 187.472,175.118 ; v2(185.364,205.339) 185.364,208.768 187.472,210.876 187.472,215.118 ; v2(199.054,45.288) 199.054,55.016 ; v2(199.054,85.288) 199.054,95.016 ; v2(199.054,125.288) 199.054,135.016 ; v2(199.054,165.288) 199.054,175.016 ; v2(199.054,205.288) 199.054,215.016 ; v2(207.864,45.339) 207.864,48.768 209.972,50.876 209.972,55.118 ; v2(207.864,85.339) 207.864,88.768 209.972,90.876 209.972,95.118 ; v2(207.864,125.339) 207.864,128.768 209.972,130.876 209.972,135.118 ; v2(207.864,165.339) 207.864,168.768 209.972,170.876 209.972,175.118 ; v2(207.864,205.339) 207.864,208.768 209.972,210.876 209.972,215.118 ; v2(221.554,45.288) 221.554,55.016 ; v2(221.554,85.288) 221.554,95.016 ; v2(221.554,125.288) 221.554,135.016 ; v2(221.554,165.288) 221.554,175.016 ; v2(221.554,205.288) 221.554,215.016 ; v2(230.364,45.339) 230.364,48.768 232.472,50.876 232.472,55.118 ; v2(230.364,85.339) 230.364,88.768 232.472,90.876 232.472,95.118 ; v2(230.364,125.339) 230.364,128.768 232.472,130.876 232.472,135.118 ; v2(230.364,165.339) 230.364,168.768 232.472,170.876 232.472,175.118 ; v2(230.364,205.339) 230.364,208.768 232.472,210.876 232.472,215.118 ; v2(244.054,45.288) 244.054,55.016 ; v2(244.054,85.288) 244.054,95.016 ; v2(244.054,125.288) 244.054,135.016 ; v2(244.054,165.288) 244.054,175.016 ; v2(244.054,205.288) 244.054,215.016